# KiCad board Soldermander_panelized_panelized.kicad_pcb (continued)
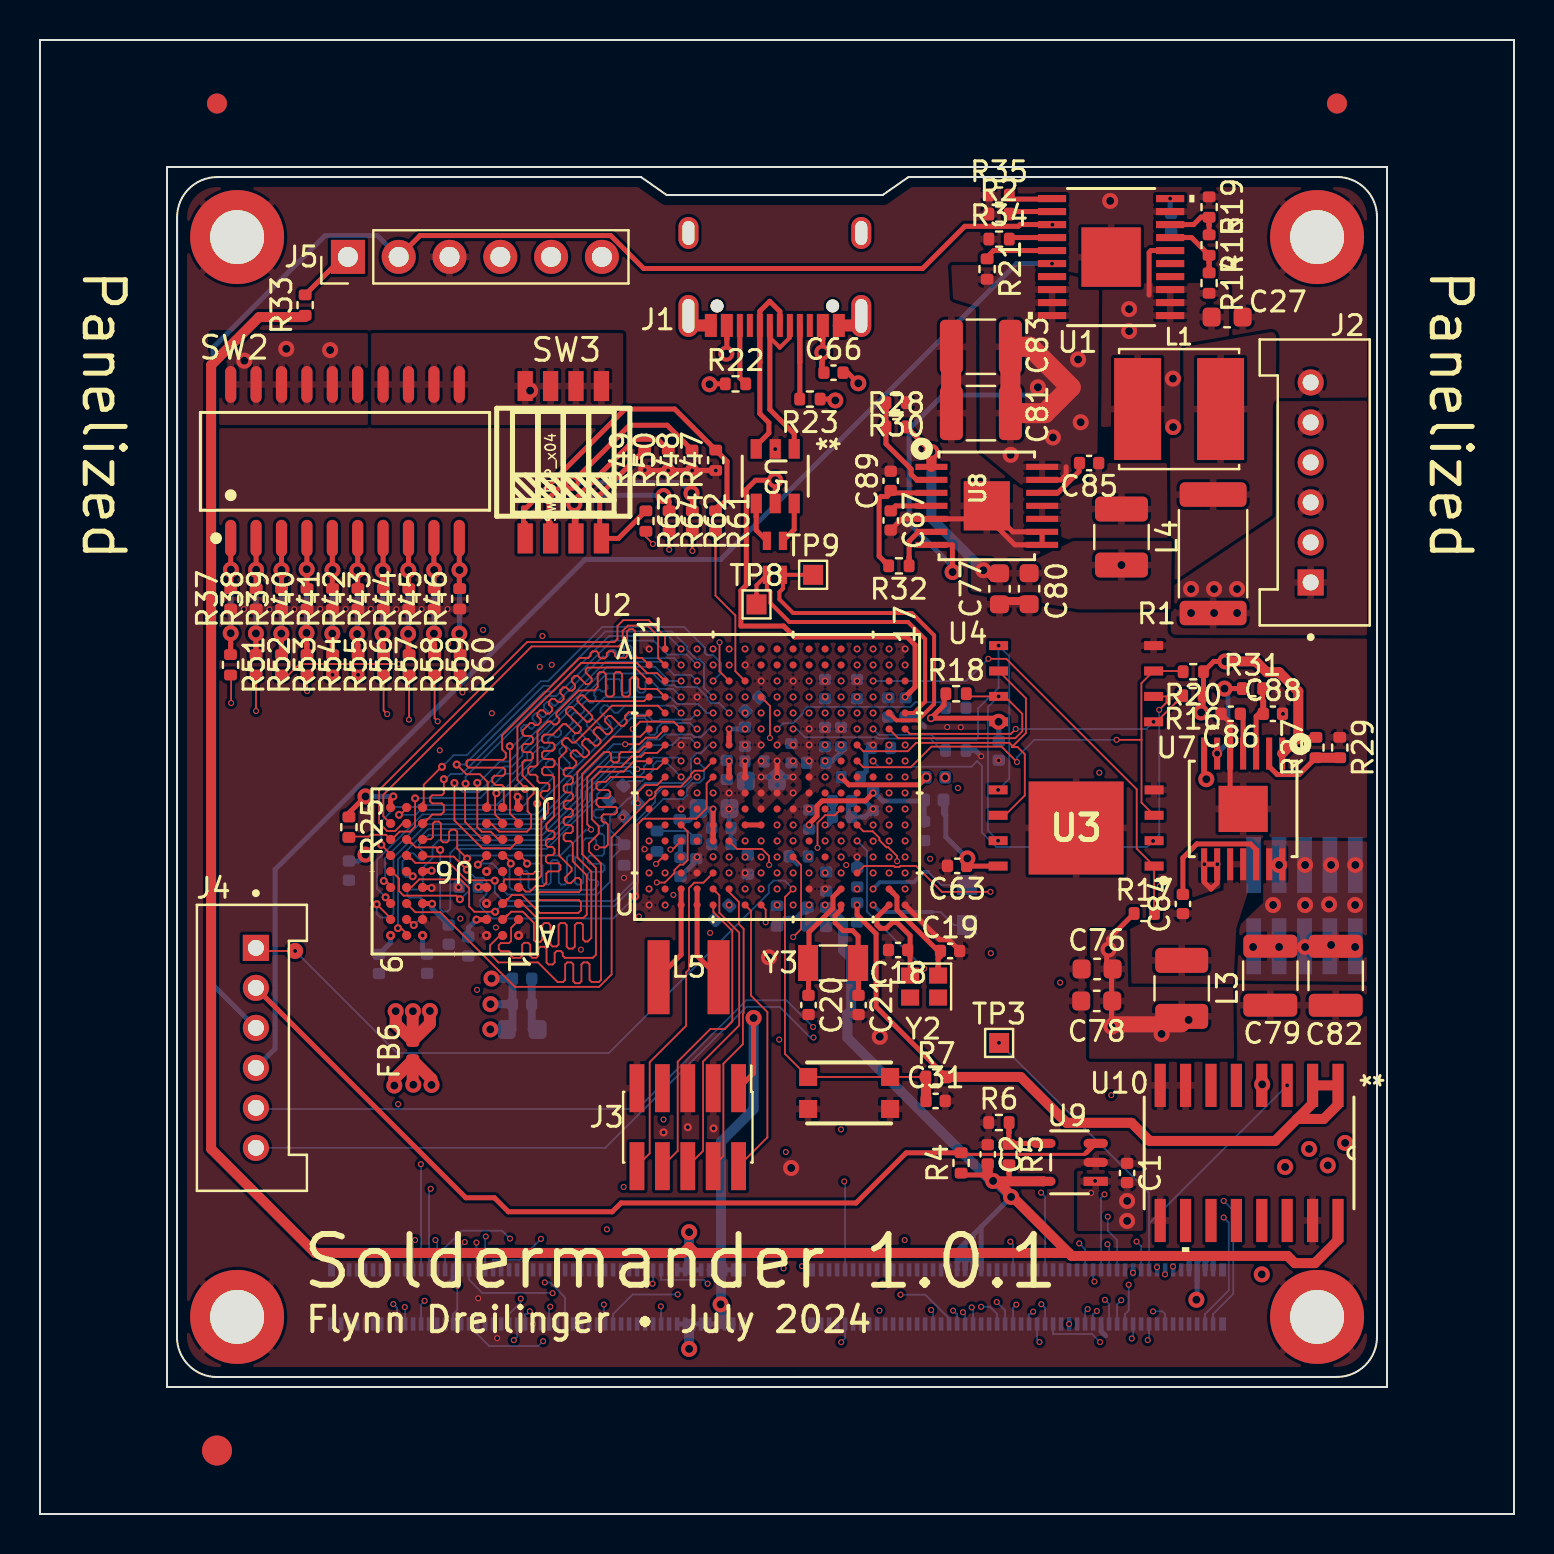
[diagram p0: board, top side]
## Routing (per net, layer and track width the routed paths; a pad name or vN(x,y) marks a point on that pad's centre or on a via; arc(x,y) is an arc through that point) (continued)
Net-(R42-Pad2): length 7.3
  Top w0.25: SW2.6 15.89,47.21 v3(15.87,47.19) 15.89,47.17 15.89,46.29 R42.2 ; v3(15.86,44.01) 15.86,43.51 ; 15.86,43.51 15.9,43.47 R56.1 ; 15.86,43.51 15.86,43.02
  Bottom w0.25: v3(15.86,44.01) 15.87,44.02 v3(15.87,47.19)
Net-(R43-Pad2): length 7.3
  Top w0.25: v3(17.13,44.01) 17.13,43.52 ; 17.13,43.52 17.18,43.46 R57.1 ; 17.13,43.52 17.13,43.03 ; SW2.7 17.16,47.21 v3(17.14,47.19) 17.16,47.17 17.16,46.29 R43.2
  Bottom w0.25: v3(17.14,47.19) 17.14,44.02 v3(17.13,44.01)
Net-(R44-Pad2): length 7.3
  Top w0.25: 18.41,43.52 18.45,43.47 R58.1 ; 18.41,43.52 v3(18.41,44.02) ; 18.41,43.52 18.41,43.02 ; R44.2 18.43,46.29 18.43,47.19 v3(18.42,47.2) 18.43,47.21 SW2.8
  Bottom w0.25: v3(18.42,47.2) 18.42,44.03 v3(18.41,44.02)
Net-(R45-Pad2): length 7.3
  Top w0.25: 19.7,43.52 19.73,43.48 R59.1 ; 19.7,43.52 v3(19.7,44.03) ; 19.7,43.52 19.7,43.01 ; R45.2 19.7,46.29 19.7,47.2 v3(19.71,47.21) 19.7,47.22 SW2.9
  Bottom w0.25: v3(19.7,44.03) 19.71,44.04 v3(19.71,47.21)
Net-(R46-Pad2): length 7.3
  Top w0.25: v3(20.97,44.03) 20.97,43.52 ; 20.97,43.52 21.01,43.48 R60.1 ; 20.97,43.52 20.97,43.02 ; R46.2 20.97,46.3 20.97,47.2 v3(20.98,47.21) 20.97,47.22 SW2.10
  Bottom w0.25: v3(20.98,47.21) 20.98,44.04 v3(20.97,44.03)
Net-(R47-Pad2): length 18.7
  Top w0.25: SW3.1 24.26,49.54 24.18,49.63 ; 24.18,50.33 24.18,50.18 ; 24.18,50.18 29.26,55.26 31.74,55.26 33.66,53.33 ; 24.18,50.18 24.18,50.02 ; 24.18,50.18 24.18,50.02 ; 34.05,50.44 34.35,50.74 34.35,52.64 33.66,53.33 ; 34.05,50.44 R61.1 ; 34.05,50.44 33.96,50.44 33.78,50.26 ; 33.78,53.2 33.66,53.32 33.66,53.33 ; 33.78,53.2 R47.2 ; 33.78,53.2 33.79,53.2 ; 24.18,50.02 24.18,49.63 ; 24.18,49.63 24.18,49.24
Net-(R48-Pad2): length 18.8
  Top w0.25: SW3.2 25.53,49.55 25.45,49.63 ; 25.45,49.63 25.45,50.8 26.21,51.57 v3(26.6,51.57) 29.47,54.45 31.36,54.45 R48.2 ; 25.45,49.63 25.45,49.21 ; v3(32.58,51.05) 32.62,51.01 R62.1
  Bottom w0.25: v3(26.6,51.57) 26.61,51.58 32.05,51.58 v3(32.58,51.05)
Net-(R49-Pad2): length 8.8
  Top w0.25: 30.23,53.2 29.86,52.82 29.85,52.82 ; 29.85,52.82 R49.2 ; 29.85,52.82 27.99,50.96 27.99,49.33 ; 27.99,49.33 28.07,49.25 SW3.4 28.92,48.79 R63.1 ; 27.99,49.33 27.99,49.25
Net-(R50-Pad2): length 14.3
  Top w0.25: 26.72,49.87 26.72,49.23 ; 26.72,49.87 v3(26.72,50.51) 26.72,50.72 29.75,53.75 30.88,53.75 R50.2 ; 26.72,49.87 26.8,49.79 26.8,49.79 SW3.3 ; v3(31.18,50.91) 31.46,50.63 R64.1
  Bottom w0.25: v3(26.72,50.51) 27.16,50.95 31.14,50.95 v3(31.18,50.91)
Net-(U1-*FLT): length 3.5
  Top w0.25: U1.15 47.68,63.18 47.36,62.86 R21.1
Net-(U1-DVDT): length 0.8
  Bottom w0.25: C11.2 56.56,65.06 56.51,65.1 v1(56.51,65.78)
Net-(U1-ILIM): length 2.5
  Top w0.25: 48.46,65.86 48.47,65.87 R35.2 ; 48.46,65.86 48.46,65.76 50.58,65.76 U1.11 ; 48.46,65.86 48.46,65.96
Net-(U1-IMON): length 2.2
  Top w0.25: 48.46,63.76 48.47,63.77 ; 48.47,63.77 48.48,63.78 48.48,63.83 U1.14 ; 48.47,63.77 R34.2
Net-(U1-MODE): length 2.2
  Top w0.25: 48.46,65 48.46,65.01 ; 48.46,65 48.49,64.97 48.62,64.97 48.78,65.13 U1.12 ; 48.46,65 R2.2
Net-(U1-OVP): length 3.4
  Top w0.25: 58.46,64.46 58.46,64.86 58.06,64.86 57.68,64.48 U1.8 ; 58.46,64.46 R19.2 ; 58.46,64.46 R15.1
Net-(U1-UVLO): length 3.8
  Top w0.25: 58.46,62.56 58.46,62.96 57.58,63.83 U1.7 ; 58.46,62.56 R15.2 ; 58.46,62.56 58.46,62.36 ; 58.46,62.36 R14.1 ; 58.46,62.36 58.46,62.16
Net-(U2A-RTC_XTALI): length 7.2
  Top w0.25: 38.43,27.58 38.43,27.6 38.45,27.62 38.45,29.09 39.65,30.29 39.65,30.85 39.85,31.05 ; 38.43,27.58 38.43,26.75 ; 38.43,27.58 Y3.2 ; 38.43,26.75 38.43,25.91 ; 38.43,26.75 C20.1 ; 39.85,31.05 U2.T13 39.85,31.05
Net-(U2A-RTC_XTALO): length 7.2
  Top w0.25: 40.93,27.71 40.93,26.82 ; 40.93,26.82 40.93,26.37 ; 40.93,26.82 40.91,26.84 40.91,27.87 ; 40.91,27.87 40.91,28.9 40.63,29.17 40.16,29.17 39.76,29.58 39.76,29.92 40.06,30.22 40.06,30.34 ; 40.91,27.87 40.91,27.87 Y3.1 ; 40.93,26.37 40.93,25.93 ; 40.93,26.37 C21.1 ; 40.06,30.34 U2.U13 40.06,30.34
Net-(U2C-DCDC_LN_1): length 4.9
  Top w0.25: U2.T4 U2.U4 32.86,27.92 L5.2
Net-(U2C-DCDC_LP_1): length 4.9
  Top w0.25: U2.T3 U2.U3 32.06,27.97 L5.1
Net-(U2E-XTALI): length 5.7
  Top w0.25: 43.51,27.93 Y2.2 ; 43.51,27.93 43.39,28.05 C18.1 ; 43.51,27.93 43.51,28.93 42.86,29.58 42.61,29.58 42.32,29.29 42.02,29.29 41.85,29.46 41.85,29.85 U2.U16
Net-(U2E-XTALO): length 6.5
  Top w0.25: 44.91,27.76 45.03,27.88 C19.1 ; 44.91,27.76 44.91,27.36 ; 44.91,27.76 44.91,28.16 42.85,30.21 42.85,30.86 42.65,31.06 ; 42.65,31.06 U2.T16 42.65,31.06 ; 44.91,27.36 44.91,27.36 Y2.1 44.91,27.36
Net-(U5-IO_1_OUT): length 2.1
  Top w0.25: U5.6 37.71,49.23 L2.4
Net-(U5-IO_2_OUT): length 2.8
  Top w0.25: 36.31,48.71 35.81,49.2 35.81,49.87 ; 36.31,48.71 L2.1 ; 36.31,48.71 36.33,48.69 ; L2.1 36.33,48.69 ; L2.1 36.33,48.69 ; 35.81,49.87 U5.4 35.81,49.87
Net-(U7-PG): length 4.4
  Top w0.25: R31.1 v3(59.23,41.28)
  Bottom w0.25: v3(59.23,41.28) 59.4,41.1 59.4,38.57 v4(58.86,38.03)
Net-(U7-SS): length 2.1
  Top w0.25: C86.1 60.16,40.02 60.16,38.03 60.16,38.03
Net-(U7-VBST): length 7
  Top w0.25: 60.81,32.86 U7.12 60.81,32.86 ; 60.81,32.86 60.81,33.22 60.53,33.51 57.84,33.51 57.15,32.81 C84.2
Net-(U7-VFB): length 4.7
  Top w0.25: 61.46,38.02 61.46,37.38 61.86,36.98 62.96,36.98 63.8,37.82 ; 61.46,38.02 61.46,38.03 61.46,38.02 ; 64.98,37.82 64.99,37.83
  Top w0.5: 63.8,37.82 64.99,37.82
Net-(U7-VREG5): length 4.7
  Top w0.25: 61.14,41.13 R31.2 61.14,41.13 ; 61.14,41.13 61.14,40.99 ; 61.14,40.99 61.13,41 61.13,41.28 ; 61.14,40.99 61.14,40.7 ; 61.14,40.7 61.14,40.13 ; 61.14,40.7 61.19,40.65 61.19,40.27 60.99,40.07 ; 61.02,40.04 60.99,40.07 ; 61.02,40.04 61.14,40.04 C88.1 ; 61.02,40.04 61.05,40.02 ; 60.99,40.07 60.81,39.89 60.81,38.03
Net-(U8-PG): length 3
  Top w0.25: 43.46,47.84 R32.1 43.46,47.84 ; 43.46,47.84 43.46,48.65 43.92,49.11 U8.6
Net-(U8-SS): length 2.3
  Top w0.25: 42.69,50.32 42.78,50.41 U8.4 ; 42.69,50.32 42.6,50.23 ; 42.69,50.32 C87.1
Net-(U8-VBST): length 2.9
  Top w0.25: 51.96,52.34 51.96,52.56 ; 51.96,52.34 51.96,52.13 50.89,51.06 U8.12 50.11,51.06 ; 51.96,52.34 51.98,52.36 C85.2
Net-(U8-VFB): length 5.9
  Top w0.25: 42.3,55.17 42.31,55.18 42.31,55.58 ; 42.3,55.17 42.3,55.37 ; 42.3,55.17 42.3,54.34 ; 42.3,55.37 R30.2 42.3,55.37 ; 42.3,54.34 42.3,53.51 43.56,52.25 43.56,52 43.84,51.71 U8.2 ; 42.3,54.34 R28.1
Net-(U8-VREG5): length 6.7
  Top w0.25: 42.22,47.63 R32.2 ; 42.22,47.63 42.23,47.63 42.45,47.42 ; 42.22,47.63 41.96,47.9 41.96,50.79 42.05,50.88 42.35,50.88 42.6,51.13 ; 42.6,51.13 C89.1 ; 42.6,51.13 42.66,51.06 U8.3
Net-(U9-ADJ): length 3.3
  Top w0.25: 48.45,19.58 48.45,19.06 ; 48.45,19.06 48.46,19.07 R6.2 ; 48.45,19.06 48.45,18.55 48.46,18.54 ; 48.46,18.54 48.46,18.5 R5.1 ; 48.46,18.54 U9.4

## Copper pours and planes (outline as drawn; the poured copper is in the pictures)
GND on Top, Bottom, In1.Cu, In2.Cu, In3.Cu, In4.Cu: -0.61,78.12 -0.61,-9.32 85.78,-9.32 85.9,77.83
GNDREF on Bottom: 21.76,71.76 21.76,59.06 29.16,59.06 29.16,53.84 39.66,53.76 44.16,58.36 44.16,71.76
VBATT on Top: 52.89,54.35 52.89,62.42 52.96,61.56 59.46,61.56 59.46,58.76 57.16,58.36 57.17,54.54
VBATT on Top: 51.86,17.16 51.86,14.16 55.16,14.16 55.16,17.16
VBATT on Bottom: 59.96,57.26 59.86,60.96 53.56,60.96 53.56,58.56 55.76,58.56 55.76,26.66 60.26,20.86 60.06,14.16 87.46,14.16 87.56,47.76
VBATT on In3.Cu: 49.16,22.86 49.26,-2.54 80.86,-2.54 80.86,22.86
VBATT_IN on Top: 56.56,46.36 61.78,49.86 61.81,55.65 66.48,55.68 66.63,43.94 56.54,43.97
VBATT_IN on In3.Cu: 24.16,64.66 24.16,58.96 30.54,54.32 33.82,47.02 43.54,47.11 51.73,49.55 56.65,49.55 56.62,43.29 60.72,43.28 60.72,52.25 45.4,52.22 40.24,49.79 36.32,49.72 33.61,56.04 26.86,61.56 26.86,64.66
VBATT_SENSE on Top: 57.16,58.36 57.17,54.54 56.5,53.86 56.56,46.36 61.78,49.86 61.82,59.16
VDD_1V8 on Top: 8.56,59.06 8.56,54.46 16.56,54.46 16.56,59.06
VDD_1V8 on Top: 52.52,29.22 52.46,22.77 59.71,22.78 59.67,26.35 54.42,26.37 54.36,29.19
VDD_1V8 on In3.Cu: 49.26,-2.54 49.16,22.86 59.86,22.96 59.95,35.58 56.57,35.59 56.64,39 59.86,39.02 59.91,43.28 35.52,43.31 35.53,39.72 33.27,39.72 33.26,38.09 35.27,38.09 35.27,36.47 40.47,36.47 40.45,38.1 46.66,38.11 46.66,34.76 40.56,34.76 40.55,23.38 26.19,23.16 15.69,23.27 15.82,38.94 26.25,38.94 26.53,48.84 16.77,52.13 16.73,69.4 4.63,69.49 4.23,-2.88
VDD_3V3 on Top: 51.66,48.66 49.64,47.68 46.55,47.79 46.56,46.16 51.93,45.24 56.55,45.25 56.6,48.66
VDD_3V3 on Top: 29.16,59.06 16.56,59.06 16.56,54.46 29.16,54.46
VDD_3V3 on In3.Cu: 16.62,52.23 26.38,48.94 26.19,23.16 40.55,23.38 40.56,34.76 46.66,34.76 46.66,38.11 40.47,38.09 40.47,36.47 35.27,36.47 35.27,38.09 33.26,38.09 33.27,39.72 35.53,39.72 35.52,43.31 56.62,43.29 56.65,49.55 51.73,49.55 43.54,47.11 40.26,47.1 40.45,70.1 16.58,69.5
VDD_SOC_IN on Top: 35.64,38.1 35.62,34.85 38.09,34.84 38.06,38.1
/SDRAM/SDRAM_1V8 on In3.Cu: 15.81,38.94 15.66,23.28 26.12,23.18 26.22,38.94
VSYS on Top: 61.18,33.7 61.16,30.57 59.82,29.29 59.85,26.68 66.4,26.61 66.42,33.64
VSYS on Top: 45.56,62.46 45.66,60.76 46.96,60.36 46.99,53.17 49.16,51.39 52.85,51.37 52.92,56.05 52.96,61.56 49.76,62.46
VSYS on Bottom: 59.96,34.06 59.96,26.76 66.36,26.76 66.36,34.06
VSYS on In3.Cu: 45.45,72.43 45.44,56.24 45.4,52.22 60.72,52.25 60.69,38.93 56.64,39 56.57,35.59 59.95,35.58 59.86,22.86 80.86,22.86 81.58,72.56
VUSB on In3.Cu: 26.86,69.56 26.86,61.56 33.61,56.04 36.32,49.72 40.24,49.79 45.4,52.22 45.36,69.8
Net-(U7-SW1) on Top: 59.21,33.58 59.18,31.2 56.67,30.33 54.36,29.19 54.42,26.37 59.67,26.35 59.82,29.29 60.42,31.15 60.47,33.59
Net-(U8-SW1) on Top: 49.17,50.63 49.2,49.52 51.66,48.66 56.6,48.66 56.66,52.56 52.46,52.56 52.46,51.66

## Text on the board
User.Comments: V-SCORE
F.Silkscreen: Flynn Dreilinger • July 2024 | Panelized | Soldermander 1.0.1
